# Altium PCB Brake Module B3 Sample.PcbDoc (part 1 of 2) (continued)
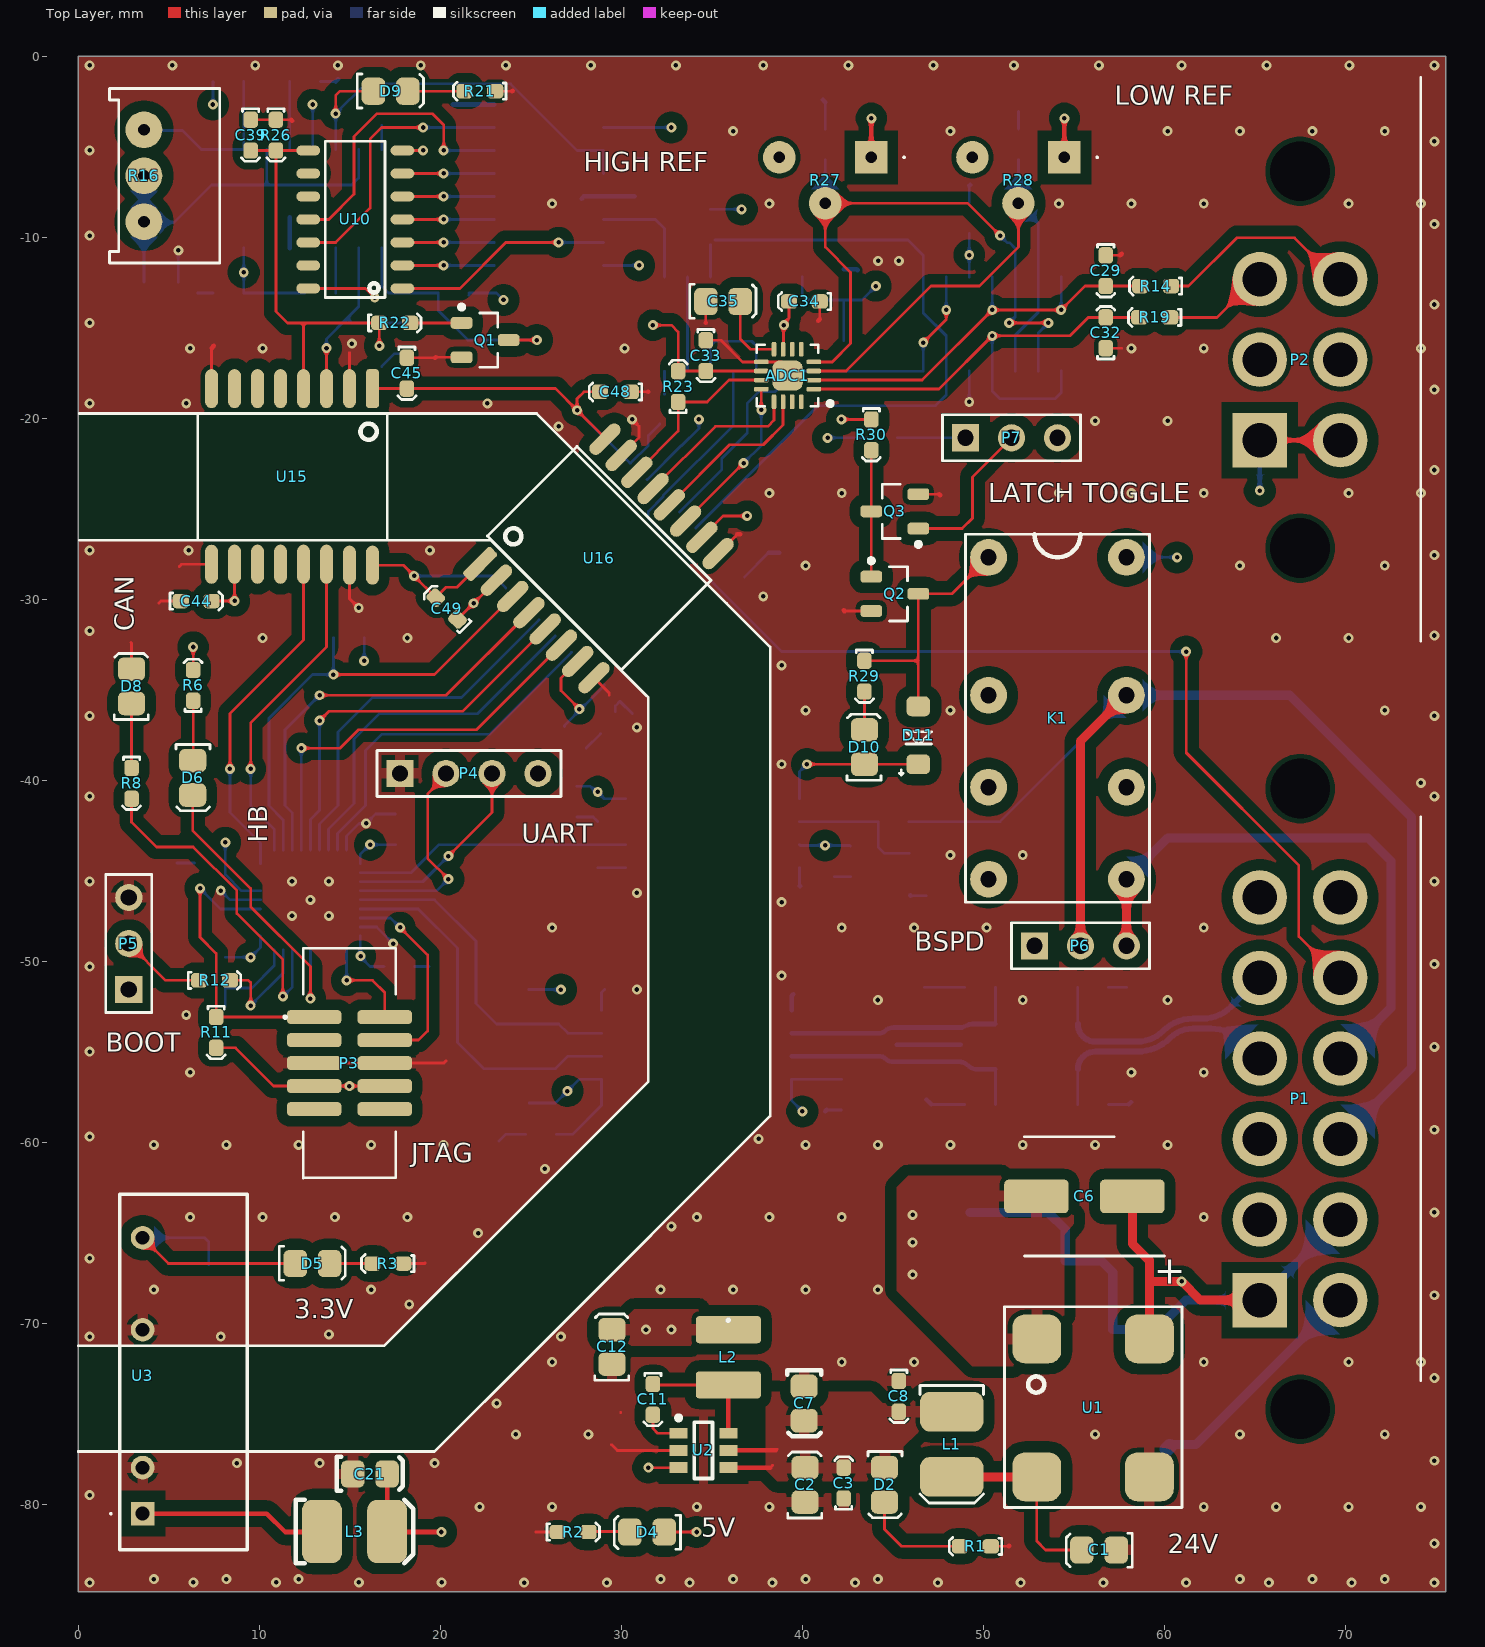
[diagram p0: Top Layer view]
## Design rules (kind name [scope] priority, off if disabled: settings)
Clearance [All] p1: gap=0.254 ignorepadtopadclearanceinfootprint=FALSE except(0: Arc-Hole Track-Hole SMDPad-Hole THPad-Hole Via-Hole Fill-Hole Region-Hole Text-Hole; 0.1: THPad-THPad; 0.152: Arc-SMDPad Track-SMDPad SMDPad-SMDPad; 0.2: Arc-THPad Track-THPad SMDPad-THPad THPad-Via; 0.203: Arc-Arc Arc-Track Arc-Region Track-Track Track-Region SMDPad-Region THPad-Region Via-Region Fill-Region Poly-Region Region-Region; 0.6: Arc-Poly Track-Poly SMDPad-Poly THPad-Poly Via-Poly Fill-Poly Poly-Poly)
DiffPairsRouting [All] p1: maxlimit=0.22 minlimit=0.22 mostfreqgap=0.22 toplayer_minwidth=0.33 toplayer_maxwidth=0.33 toplayer_prefwidth=0.33 midlayer1_minwidth=0.33 midlayer1_maxwidth=0.33 midlayer1_prefwidth=0.33 midlayer2_minwidth=0.33 midlayer2_maxwidth=0.33 midlayer2_prefwidth=0.33 bottomlayer_minwidth=0.33 bottomlayer_maxwidth=0.33 bottomlayer_prefwidth=0.33 maxuncoupledlength=12.7
Height [All] p1: minheight=0 maxheight=50 prefheight=12.7
HoleSize [All] p1: absolutevalues=TRUE maxlimit=10 minlimit=0.025 maxpercent=80.000 minpercent=20.000
MinimumSolderMaskSliver [All] p1 off: minsoldermaskwidth=0.254
NetAntennae [All] p1 off: netantennaetolerance=0
PlaneClearance [All] p1: clearance=0.4
PlaneConnect [All] p1: pad.planeconnectstyle=Relief pad.reliefexpansion=0.508 pad.reliefentries=4 pad.reliefconductorwidth=0.8 pad.reliefairgap=0.254 via.planeconnectstyle=Direct via.reliefexpansion=0.508 via.reliefentries=4 via.reliefconductorwidth=0.8 via.reliefairgap=0.254
PolygonConnect [All] p1: thpad.connectstyle=Relief thpad.reliefconductorwidth=0.6 thpad.reliefentries=4 thpad.polygonreliefangle="90 Angle" thpad.airgapwidth=0.254 smdpad.connectstyle=Relief smdpad.reliefconductorwidth=0.6 smdpad.reliefentries=4 smdpad.polygonreliefangle="90 Angle" smdpad.airgapwidth=0.254 via.connectstyle=Direct via.reliefconductorwidth=0.6 via.reliefentries=4 via.polygonreliefangle="90 Angle" via.airgapwidth=0.254
RoutingVias [All] p1: holewidth=0.25 width=0.55 viastyle="Through Hole" minholewidth=0.203 minwidth=0.254 maxholewidth=0.711 maxwidth=1.27
SilkToSilkClearance [All] p1 off: silktosilkclearance=0.254
SilkToSolderMaskClearance [IsPad] p1 off: minsilkscreentomaskgap=0.254 clearancetoexposedcopper=TRUE
SolderMaskExpansion [All] p1: expansion=0.051 istentingtop=FALSE
Width [All] p1: maxlimit=3 minlimit=0.127 preferedwidth=0.152 minimp=50.000000 maximp=50.000000 favimp=50.000000
21 further rules are at their usual default settings.

## Classes and differential pairs
component class TopLevel: P1 P2
component class "Safety Loop": "BSPD Swap1" C42 C43 D10 D11 D12 K1 P6 P7 Q2 Q3 R29 R30 R31 R32 U13
component class "Power Supply": C1 C2 C3 C4 C5 C6 C7 C8 C11 C12 C21 C26 D1 D2 D3 D4 D5 F1 L1 L2 L3 R1 R2 R3 U1 U2 U3
component class Microcontroller: C22 C23 C24 C25 D6 D8 P3 P4 P5 R6 R8 R9 R10 R11 R12 U7
component class Isolation: C44 C45 C46 C47 C48 C49 R34 R36 R37 U14 U15 U16
component class CAN: C15 C16 C17 C18 C19 C20 U4 U5 U6
component class BSPD: 1 ADC1 "BSPD OK1" C28 C29 C30 C31 C32 C33 C34 C35 C36 C37 C38 C39 C40 C41 D9 "High P.1" "Low P.1" Q1 R14 R15 R16 R17 R18 R19 R20 R21 R22 R23 R24 R25 R26 R27 R28 SR_IN1 U8 U9 U10 U11 U12
differential pair CAN1: +CAN1_P -CAN1_N

## Components (designator, comment, footprint, x,y, rotation, side; value= is the part's Value field where it differs from the comment)
ADC1 "ADS7028IRTER" WFQN-16 39.19,-17.641 r180 top
C1 "10uF" 0805 56.388,-82.55 r180 top
C2 "10uF" 0805 40.132,-78.916 r90 top
C3 "100nF" 0603 42.291,-79.678 r90 top
C4 "100nF" 0603 54.532,-66.548 r180 bottom
C5 "100nF" 0603 49.274,-63.881 r180 bottom
C6 "47uF" "CHEMI-CON ELCO" 55.586,-62.992 r180 top
C7 "2.2uF" 0805 40.132,-74.446 r270 top value=22uF
C8 "100nF" 0603 45.339,-73.186 r270 top
C11 "100nF" 0603 31.75,-73.357 r270 top
C12 "10uF" 0805 29.464,-71.295 r90 top
C15 "100nF" 0603 42.164,-58.215 r90 bottom
C16 "100nF" 0603 24.716,-59.563 r0 bottom
C17 "100pF" 0603 56.923,-51.435 r180 bottom
C18 "100pF" 0603 56.923,-57.912 r180 bottom
C19 "100pF" 0603 48.973,-51.435 r0 bottom
C20 "100pF" 0603 48.973,-57.912 r0 bottom
C21 "10uF" 0805 16.129,-78.307 r0 top
C22 "100nF" 0603 17.526,-41.861 r270 bottom
C23 "100nF" 0603 8.128,-51.484 r90 bottom
C24 "100nF" 0603 6.428,-44.577 r0 bottom
C25 "100nF" 0603 18.591,-50.292 r180 bottom
C26 "10uF" 0805 7.235,-67.639 r90 bottom
C28 "100nF" 0603 7.444,-13.081 r0 bottom
C29 "100nF" 0603 56.769,-11 r270 top
C30 "10uF" 0805 4.57,-12.446 r180 bottom
C31 "10pF" 0603 13.384,-1.397 r180 bottom
C32 "100nF" 0603 56.769,-16.129 r90 top
C33 "100nF" 0603 34.676,-15.691 r270 top
C34 "100nF" 0603 40.972,-13.55 r180 top
C35 "1µF" 0805 35.638,-13.524 r0 top
C36 "100nF" 0603 31.496,-5.637 r90 bottom
C37 "100nF" 0603 49.227,-8.079 r270 bottom
C38 "100nF" 0603 42.291,-11.762 r270 bottom
C39 "100nF" 0603 9.525,-3.507 r270 top
C40 "100nF" 0603 41.275,-4.015 r270 bottom
C41 "100nF" 0603 51.943,-4.015 r270 bottom
C42 "100nF" 0603 42.672,-45.339 r90 bottom
C43 "100nF" 0603 27.559,-42.037 r90 bottom
C44 "100nF" 0603 5.666,-30.099 r0 top
C45 "100nF" 0603 18.161,-16.664 r270 top
C46 "100nF" 0603 28.067,-38.227 r135 bottom
C47 "100nF" 0603 33.333,-21.522 r135 bottom
C48 "100nF" 0603 30.529,-18.542 r180 top
C49 "100nF" 0603 20.955,-31.115 r135 top
D1 "PMEG100T10ELR-QX" SODFL350X110-2N 49.149,-66.548 r0 bottom
D2 "Red" "0805 LED" 44.577,-78.94 r270 top
D3 "SM6T39CAY" SM6T39CAY-Footprint-1 54.991,-70.358 r180 bottom
D4 "Red" "0805 LED" 31.418,-81.56 r180 top
D5 "Red" "0805 LED" 12.954,-66.675 r0 top
D6 "Yellow" "0805 LED" 6.35,-39.878 r270 top
D8 "Yellow" "0805 LED" 2.921,-34.798 r90 top
D9 "Green" "0805 LED" 17.272,-1.905 r0 top
D10 "Green" "0805 LED" 43.408,-38.154 r90 top
D11 "PMEG100T10ELR-QX" "NXP SOD123W" 46.415,-37.516 r90 top
D12 "MMBZ5230BLT1G" NEXPERIA_SOT23 45.896,-45.212 r90 bottom
F1 "0ZCF0100AF2A" 2920 60.132,-76.962 r180 bottom
K1 "V23105A5475A201" "TI 2-DIL" 54.102,-36.576 r270 top
L1 "12uH" 1812 48.26,-76.686 r270 top
L2 "4.7uH" SRN3015TA-4R7M 35.919,-71.882 r270 top
L3 "12uH" 1812 15.267,-81.507 r0 top
P1 "DTF13-12P" DTF13-12P 69.728,-57.608 r90 top
P2 "DT13-6P" DTF13-6P 69.728,-16.764 r90 top
P3 "1.27mm" 3221-10-0300-00 14.986,-55.626 r270 top
P4 "2.54mm" "TH 2.54mm Header 1x4" 17.78,-39.624 r0 top
P5 "2.54mm" "TH 2.54mm Header 1x3" 2.794,-51.562 r90 top
P6 "2.54mm" "TH 2.54mm Header 1x3" 52.832,-49.149 r0 top
P7 "2.54mm" "TH 2.54mm Header 1x3" 49.022,-21.082 r0 top
Q1 "SQ2361ES-T1_GE3" "VSHY SOT-23-3" 22.479,-15.682 r0 top
Q2 "SQ2308CES-T1_GE3" "VSHY SOT-23-3" 45.115,-29.699 r0 top
Q3 "SQ2308CES-T1_GE3" "VSHY SOT-23-3" 45.115,-25.146 r180 top
R1 "20K" 0603 50.419,-82.322 r180 top
R2 "2K" 0603 26.494,-81.534 r0 top
R3 "1k" 0603 17.956,-66.701 r180 top
R6 "500R" 0603 6.35,-35.609 r90 top
R8 "500R" 0603 2.947,-39.321 r270 top
R9 "5.1k" 0805 24.918,-52.505 r90 bottom
R10 "5.1k" 0805 24.892,-56.896 r270 bottom
R11 "10k" 0603 7.62,-53.086 r270 top
R12 "10k" 0603 6.682,-51.054 r0 top
R14 "1k" 0603 60.374,-12.7 r180 top
R15 "10k" 0603 9.144,-1.397 r180 bottom
R16 "10K (Var)" "B 3296" 4.191,-6.69 r270 top
R17 "1.2k" 0603 14.224,-13.081 r180 bottom
R18 "1.2k" 0603 19.89,-13.081 r0 bottom
R19 "1k" 0603 60.325,-14.429 r180 top
R20 "10k" 0603 18.112,-16.432 r90 bottom
R21 "1.2k" 0603 23.036,-1.931 r180 top
R22 "680R" 0603 16.637,-14.732 r0 top
R23 "1.2k" 0603 33.147,-19.099 r90 top
R24 "1.2k" 0603 42.291,-17.399 r90 bottom
R25 "1.2k" 0603 34.925,-10.16 r90 bottom
R26 "10k" 0603 10.922,-3.507 r270 top
R27 "10K (Var)" 3339P-1-1103LF 41.275,-8.128 r180 top
R28 "10K (Var)" 3339P-1-1103LF 51.943,-8.128 r180 top
R29 "680R" 0603 43.434,-33.401 r270 top
R30 "680R" 0603 43.815,-20.066 r270 top
R31 "680R" 0603 43.561,-21.082 r0 bottom
R32 "10k" 0603 44.196,-42.291 r0 bottom
R34 "1.2k" 0603 14.097,-32.131 r0 bottom
U1 "744272121" "Wurth 4-PC Pad" 59.179,-78.486 r90 top value="120uH @ 100kHz"
U2 "LMR50410Y5FQDBVRQ1" TI-SOT23-6 34.544,-77.028 r0 top
U3 "RK-053.3S/H6" RK-053.3S/H6 3.556,-80.518 r90 top
U4 "ISO1042" TI-SOIC-8 34.163,-54.61 r0 bottom
U5 "B82787C0104H002" "TDK 4-PC Pad" 55.223,-53.467 r180 bottom value="100µH @ 100kHz"
U6 "NUP2105L" "ON SOT-23" 46.228,-54.61 r270 bottom
U7 "STM32F103T8U6" STM_QFN-36 12.827,-46.609 r0 bottom
U8 "NE556DR" TI-SOIC14 12.954,-7.874 r270 bottom
U9 "MC74HC595ADR2G" "ON 16-SOIC" 25.877,-11.557 r0 bottom
U10 "CD74HC30M96" "TI 14-SOIC" 20.507,6.223 r90 top
U11 "SN74HC00DR" "TI 14-SOIC" 20.955,-19.999 r180 bottom
U12 "LMV339IDR" "TI 14-SOIC" 65.737,-9.592 r0 bottom
U13 "ADuM210N" AD-SOIC-8W 35.052,-42.926 r180 bottom
U14 "ADuM1400" "AD 16-SOIC" 31.115,-29.972 r315 bottom
U15 "ADuM1400" "AD 16-SOIC" 10.541,-23.241 r180 top
U16 "ADum1401" "AD 16-SOIC" 29.694,-28.644 r315 top

## Footprints (in the part's own frame and the unit in brackets; to place one, negate y for a bottom-side part, rotate by r counter-clockwise, add the part's x,y. Pads: shape width x height; smd on the part's side, far side on the other; paste and mask are expansions set on the pad)
0603 [mm]
  rrect50% 0.9x0.8 smd: 1(0,0) 2(1.7,0)
  silkscreen extent -0.6,-0.5 2.3,0.5, body extent 0.05,-0.42 1.65,0.43, height 0.6
0805 [mm]
  rrect50% 1.3x1.5 smd: 1(-0.962,-0.026) 2(0.938,-0.026)
  silkscreen extent -1.85,-0.95 1.8,0.93, body extent -1,-0.65 1,0.66, height 0.73
"0805 LED" [mm]
  rrect50% 1.3x1.5 smd: A(-0.962,-0.026) K(0.938,-0.026)
  silkscreen extent -1.85,-0.95 1.8,0.93, body extent -1.09,-0.63 0.91,0.62, height 1
1812 [mm]
  rrect50% 2.2x3.5 smd: 1(-1.8,0) 2(1.8,0)
  silkscreen extent -3.25,-1.75 3.25,1.75, body extent -2.25,-1.6 2.25,1.6, height 2.5
2920 [mm]
  rrect50% 2.3x5.6 smd: 1(0,0) 2(7.3,0)
  silkscreen extent -1.4,-3 9,3, body extent -0.34,-2.81 7.64,2.81, height 1.14
3221-10-0300-00 [mm]
  rrect50% 0.76x3 smd: 1(-2.54,-1.95) 2(-2.54,1.95) 3(-1.27,-1.95) 4(-1.27,1.95) 5(0,-1.95) 6(0,1.95) 7(1.27,-1.95) 8(1.27,1.95) 9(2.54,-1.95) 10(2.54,1.95)
  silkscreen extent -6.35,-3.6 6.35,2.55, body extent -6.34,-2.8 6.36,2.8, height 5.25
3339P-1-1103LF [mm]
  rect 1.8x1.8 / inner rect 1.8x1.8 / far side rect 2.2x2.2 hole 0.63: 1(-2.54,-2.54)
  round 1.8 / inner round 1.8 / far side round 2.2 hole 0.63: 2(0,0) 3(2.54,-2.54)
  silkscreen extent -4.4,-2.59 -4.3,-2.49, body extent -3.81,-6.35 3.81,1.27, height 6.7
"AD 16-SOIC" [mil]
  rrect50% 28x85 smd: 1(-225,-192.02)
  oval 28x85 smd: 2(-175,-192.02) 3(-125,-192.02) 4(-75,-192.02) 5(-25,-192.02) 6(25,-192.02) 7(75,-192.02) 8(125,-192.02) 9(125,190) 10(75,189.96) 11(25,189.96) 12(-25,189.96) 13(-75,189.96) 14(-125,189.96) 15(-175,191.98) 16(-225,191.98)
  silkscreen extent -257,-138 155,138, body extent -256,-209 156,209, height 104
AD-SOIC-8W [mm]
  rrect50% 1.7x0.6 smd: 1(-4.8,1.905) 2(-4.8,0.635) 3(-4.8,-0.635) 4(-4.8,-1.905) 5(4.8,-1.905) 6(4.8,-0.635) 7(4.8,0.635) 8(4.8,1.905)
  silkscreen extent -4.93,-3.05 3.55,3.05, body extent -5.16,-3.05 5.16,3.05, height 2.65
"B 3296" [mil]
  round 80 / inner round 80 / far side round 86.61 hole 25.2: 1(-103.39,-22) 2(-3.39,-22) 3(96.61,-22)
  silkscreen extent -193,-97 187,143, body extent -191,-97 184,143, height 455
"CHEMI-CON ELCO" [mm]
  rrect25% 3.55x1.85 smd: 1(-2.65,0) 2(2.65,0)
  silkscreen extent -4.43,-3.3 3.3,3.3, body extent -3.7,-3.4 3.7,3.4, height 6.1
DTF13-6P [mm]
  round 3 hole 3.3 unplated: 0(-10.41,2.225) 0(10.41,2.225)
  rect 3x3 / inner rect 3x3 / far side rect 3.8x3.8 hole 1.9: 1(-4.45,4.45)
  round 3 / inner round 3 / far side round 3.8 hole 1.9: 2(0,4.45) 3(4.45,4.45) 4(4.45,0) 5(0,0) 6(-4.45,0)
  silkscreen extent -15.56,-4.45 15.59,-4.45, body extent -14.1,-23 13.61,6.6, height 22.67
DTF13-12P [mm]
  round 3 hole 3.3 unplated: 0(-17.145,2.22) 0(17.145,2.22)
  rect 3x3 / inner rect 3x3 / far side rect 3.8x3.8 hole 1.9: 1(-11.114,4.45)
  round 3 / inner round 3 / far side round 3.8 hole 1.9: 2(-6.664,4.45) 3(-2.214,4.45) 4(2.236,4.45) 5(6.686,4.45) 6(11.136,4.45) 7(11.136,0) 8(6.686,0) 9(2.236,0) 10(-2.214,0) 11(-6.664,0) 12(-11.114,0)
  silkscreen extent -15.56,-4.45 15.59,-4.45, body extent -20.79,-27.74 20.79,6.55, height 23.13
NEXPERIA_SOT23 [mm]
  rrect50% 0.95x0.6 smd: 2(-1.175,-0.95) A(-1.175,0.95) K(1.175,0)
  silkscreen extent -1.3,-1.5 0.7,1.93, body extent -1.33,-1.5 1.33,1.5, height 1.1
"NXP SOD123W" [mm]
  rrect50% 1.1x1.3 smd: A(1.6,0) K(-1.6,0)
  silkscreen extent -2.2,-0.73 0.2,1.04, body extent -1.75,-0.95 1.75,0.95, height 1.1
"ON 16-SOIC" [mm]
  rrect50% 1.6x0.58 smd: 1(-2.89,0) 2(-2.89,-1.27) 3(-2.89,-2.54) 4(-2.89,-3.81) 5(-2.89,-5.08) 6(-2.89,-6.35) 7(-2.89,-7.62) 8(-2.89,-8.89) 9(3.14,-8.89) 10(3.14,-7.62) 11(3.14,-6.35) 12(3.14,-5.08) 13(3.14,-3.81) 14(3.14,-2.54) 15(3.14,-1.27) 16(3.14,0)
  silkscreen extent -1.75,-9.5 2,0.75, body extent -3.09,-9.4 3.14,0.6, height 1.75
"ON SOT-23" [mm] "NUP2105L"
  rrect50% 0.8x0.9 smd: 1(-0.95,-1) 2(0.95,-1) 3(0,1)
  silkscreen extent -1.75,-0.65 1.75,0.75, body extent -1.5,-1.28 1.5,1.27, height 1
RK-053.3S/H6 [mm]
  rect 1.303x1.303 / inner rect 1.303x1.303 / far side rect 1.8x1.8 hole 0.76: 1(0,0)
  round 1.303 / inner round 1.303 / far side round 1.8 hole 0.76: 2(2.54,0) 5(10.16,0) 7(15.24,0)
  silkscreen extent -2,-5.78 17.65,1.8, body extent -1.99,-5.78 17.65,1.26, height 10.2
SM6T39CAY-Footprint-1 [mm]
  rrect50% 2.28x2.12 smd: A(2.165,0) K(-2.165,0)
  silkscreen extent -2.16,-1.81 2.16,1.81, body extent -2.79,-1.98 2.79,1.98, height 2.64
SODFL350X110-2N [mm] "SODFL, 2-Leads, Body 1.70x3.50mm, IPC Medium Density"
  rrect50% 0.95x1.1 smd: A(1.575,0) K(-1.575,0)
  silkscreen extent -2.29,-1.19 2.28,1.18, body extent -1.75,-0.95 1.75,0.95, height 1.1
SRN3015TA-4R7M [mm]
  rrect25% 1.5x3.6 smd: 1(-1.525,0) 2(1.525,0)
  silkscreen extent -2.1,-0.05 -2,0.05, body extent -1.46,-1.47 1.61,1.47, height 1.4
STM_QFN-36 [mm]
  rrect50% 1.1x0.25 smd: 1(-2.75,2) 2(-2.75,1.5) 3(-2.75,1) 4(-2.75,0.5) 5(-2.75,0) 6(-2.75,-0.5) 7(-2.75,-1) 8(-2.75,-1.5) 9(-2.75,-2) 19(2.75,-2) 20(2.75,-1.5) 21(2.75,-1) 22(2.75,-0.5) 23(2.75,0) 24(2.75,0.5) 25(2.75,1) 26(2.75,1.5) 27(2.75,2)
  rrect50% 0.25x1.1 smd: 10(-2,-2.75) 11(-1.5,-2.75) 12(-1,-2.75) 13(-0.5,-2.75) 14(0,-2.75) 15(0.5,-2.75) 16(1,-2.75) 17(1.5,-2.75) 18(2,-2.75) 28(2,2.75) 29(1.5,2.75) 30(1,2.75) 31(0.5,2.75) 32(0,2.75) 33(-0.5,2.75) 34(-1,2.75) 35(-1.5,2.75) 36(-2,2.75)
  rrect25% 3x3 smd: 37(0,0)
  silkscreen extent -3.98,-3.21 3.21,3.21, body extent -3.08,-3.08 3.08,3.08, height 1
"TDK 4-PC Pad" [mm]
  rrect50% 1.35x0.9 smd: 1(0,-2.5) 2(0,0) 3(4.55,0) 4(4.55,-2.5)
  silkscreen extent -1,-3.2 5.5,0.7, body extent -0.02,-2.82 4.48,0.38, height 2.8
"TH 2.54mm Header 1x3" [mm]
  rect 1.5x1.5 / inner rect 1.5x1.5 / far side rect 2.2x2.2 hole 0.9: 1(0,0)
  round 1.5 / inner round 1.5 / far side round 2.2 hole 0.9: 2(2.54,0) 3(5.08,0)
  silkscreen extent -1.27,-1.27 6.35,1.27, body extent -1.27,-1.27 6.35,1.27, height 9.5
"TH 2.54mm Header 1x4" [mm]
  rect 1.5x1.5 / inner rect 1.5x1.5 / far side rect 2.2x2.2 hole 0.9: 1(0,0)
  round 1.5 / inner round 1.5 / far side round 2.2 hole 0.9: 2(2.54,0) 3(5.08,0) 4(7.62,0)
  silkscreen extent -1.27,-1.27 8.89,1.27, body extent -1.27,-1.27 8.89,1.27, height 9.5
"TI 2-DIL" [mil]
  round 80 / inner round 80 / far side round 98.43 hole 35.43: 1(-350,-150) 4(-50,-150) 6(150,-150) 8(350,-150) 9(350,150) 11(150,150) 13(-50,150) 16(-350,150)
  silkscreen extent -400,-200 400,200, body extent -398,-197 398,197, height 450
"TI 14-SOIC" [mil]
  oval 22x52 smd: 1(-750,102.36) 2(-700,102.36) 3(-650,102.36) 4(-600,102.36) 5(-550,102.36) 6(-500,102.36) 7(-450,102.36) 8(-450,307.09) 9(-500,307.09) 10(-550,307.09) 11(-600,307.09) 12(-650,307.09) 13(-700,307.09) 14(-750,307.09)
  silkscreen extent -770,140 -430,270, body extent -770,86 -430,323, height 69
TI-SOIC14 [mm]
  rrect50% 1.45x0.6 smd: 1(-2.725,3.81) 2(-2.725,2.54) 3(-2.725,1.27) 4(-2.725,0) 5(-2.725,-1.27) 6(-2.725,-2.54) 7(-2.725,-3.81) 8(2.725,-3.81) 9(2.725,-2.54) 10(2.725,-1.27) 11(2.725,0) 12(2.725,1.27) 13(2.725,2.54) 14(2.725,3.81)
  silkscreen extent -2.85,-4.4 1.6,4.78, body extent -3,-4.4 3,4.4, height 1.75
TI-SOIC-8 [mm]
  rrect50% 1.95x0.6 smd: 1(-5.25,1.905) 2(-5.25,0.635) 3(-5.25,-0.635) 4(-5.25,-1.905) 5(5.25,-1.905) 6(5.25,-0.635) 7(5.25,0.635) 8(5.25,1.905)
  silkscreen extent -5.37,-3 3.88,3, body extent -5.75,-3 5.75,3, height 2.8
TI-SOT23-6 [mm]
  rect 1x0.6 smd: 1(-1.375,0.95) 2(-1.375,0) 3(-1.375,-0.95) 4(1.375,-0.95) 5(1.375,0) 6(1.375,0.95)
  silkscreen extent -1.5,-1.55 0.5,1.92, body extent -1.5,-1.53 1.5,1.53, height 1.45
"VSHY SOT-23-3" [mm] "SOT23, 3-Leads, Body 2.92x2.37mm, Pitch 0.95mm, IPC Low Density"
  rrect50% 1.2x0.65 smd: D(1.3,0) G(-1.3,0.95) S(-1.3,-0.95)
  silkscreen extent -1.42,-1.5 0.7,1.95, body extent -1.32,-1.52 1.32,1.52, height 1.12
WFQN-16 [mm]
  rrect50% 0.8x0.25 smd: 1(-1.45,0.75) 2(-1.45,0.25) 3(-1.45,-0.25) 4(-1.45,-0.75) 9(1.45,-0.75) 10(1.45,-0.25) 11(1.45,0.25) 12(1.45,0.75)
  rrect50% 0.25x0.8 smd: 5(-0.75,-1.45) 6(-0.25,-1.45) 7(0.25,-1.45) 8(0.75,-1.45) 13(0.75,1.45) 14(0.25,1.45) 15(-0.25,1.45) 16(-0.75,1.45)
  rrect50% 1.68x1.68 smd: 17(0,0)
  silkscreen extent -2.48,-1.7 1.7,1.7, body extent -1.6,-1.6 1.6,1.6, height 0.8
"Wurth 4-PC Pad" [mm]
  rrect50% 2.7x2.7 smd: 1(7.62,6.22) 2(0,6.22) 3(0,0) 4(7.62,0)
  silkscreen extent -1.7,-1.8 9.4,8, body extent -1.19,-1.24 8.81,7.46, height 6.2

## Part data
ADC1: "IC ADC 12BIT SAR 16WQFN", Manufacturer="Texas Instruments", Digikey Link=https://www.digikey.com.au/en/products/detail/texas-instruments/ADS7028IRTER/12696020?s=N4IgTCBcDaIIIBEDKB2ADGAHASQEoBUBRXEAXQF8g, Digikey Part Number=ADS7028IRTER, Part Number=ADS7028IRTER
C1 C2 C12 C21 C26 C30: library part GRM21BR6YA106KE43L, Digikey Part Number=490-10514-6-ND, Manufacturer=muRata, Rated Voltage=50V, Temperature Rating=X5R, Tolerance=10%, Material=MLCC, Part Number=GRM21BR6YA106KE43L
C3 C4 C5 C8 C11 C15 C16 C22 C23 C24 C25 C28 C29 C32 C33 C34 C36 C37 C38 C39 C40 C41 C42 C43 C44 C45 C46 C47 C48 C49: library part GCM188L81H104KA57D, Digikey Part Number=490-6049-1-ND, Manufacturer=muRata, Rated Voltage=50V, Temperature Rating=X8L, Tolerance=±10%, Material=MLCC, Part Number=GCM188L81H104KA57D
C6: library part HHXA350ARA470MF61G, Part Number=HHXA350ARA470MF61G
C7: library part GRM21BR61A226ME51L, Digikey Part Number=490-10511-1-ND, Manufacturer=muRata, Rated Voltage=50V, Temperature Rating=X5R, Tolerance=20%, Material=MLCC, Part Number=GRM21BR61A226ME51L
C17 C18 C19 C20: library part GRM1885C1H101JA01D, Digikey Part Number=490-1427-1-ND, Manufacturer="Murata Electronics", Rated Voltage=50V, Temperature Rating="C0G, NP0", Tolerance=±5%, Material=MLCC, Part Number=GRM1885C1H101JA01D
C31: library part GRM1885C1H100JA01D, Digikey Part Number=490-1403-1-ND, Manufacturer="Murata Electronics", Rated Voltage=50V, Temperature Rating="C0G, NP0", Tolerance=±5%, Material=MLCC, Part Number=GRM1885C1H100JA01D
C35: library part GCM21BR71H105KA03L, Digikey Part Number=490-10675-1-ND, Manufacturer=muRata, Rated Voltage=50V, Temperature Rating=X7R, Tolerance=±10%, Material=MLCC, Part Number=GCM21BR71H105KA03L
D1: library part CMP-004-00005-4, "Diode 100 V 1A Surface Mount SOD-123W"
D2 D4 D5: library part SML-210LTT86, "Red LED Indication - Discrete 1.75V 0805 (2012 Metric)", Digikey Part Number=511-1286-1-ND, Manufacturer="ROHM Semiconductor", Colour=Red, Part Number=SML-210LTT86
D3: library part CMP-004-00003-4, "TVS Diode Single Bi-Dir 33.3V 600W Automotive 2-Pin SMB T/R / TVS DIODE 33.3VWM 69.7VC SMB", Breakdown Voltage=39V, Case/Package=DO-214AA, Clamping Voltage=53.9V, Leakage Current=200nA, Max Breakdown Voltage=41V, Max Operating Temperature=150°C, Max Power Dissipation=600W, Max Surge Current=11.1A, Min Breakdown Voltage=37.1V, Min Operating Temperature=-55°C, Operating Supply Voltage=30V, Package Quantity=1, Peak Pulse Current=57A, Power Line Protection=No, Resistor Type=Zener, Reverse Standoff Voltage=33.3V, Test Current=1mA, Diode Type=ZENER, Direction=Bidirectional, Element Configuration=Single, Height=2.45mm, Length=4.6mm, Max Reverse Leakage Current=200nA, Mount="Surface Mount", Number of Bidirectional Channels=1, Number of Channels=1, Number of Elements=1, Number of Pins=2, Packaging="Tape and Reel", Peak Pulse Power=600W, Polarity=Bidirectional, Radiation Hardening=No, REACH SVHC="No SVHC", Reverse Breakdown Voltage=37.1V, RoHS Compliant=Yes, Series="Automotive, AEC-Q101, SM6TY, TRANSIL™", Termination=SMD/SMT, Width=3.95mm
D6 D8: library part SML-211YTT86, "Yellow LED Indication - Discrete 1.75V 0805 (2012 Metric)", Digikey Part Number=511-1293-1-ND, Manufacturer="ROHM Semiconductor", Colour=Yellow, Part Number=SML-211YTT86
D9 D10: library part SML-210FTT86, "Green LED Indication - Discrete 1.75V 0805 (2012 Metric)", Digikey Part Number=511-1285-1-ND, Manufacturer="ROHM Semiconductor", Colour=Green, Part Number=SML-210FTT86
D11: Breakdown Voltage="100 V", Digikey Part Number=1727-PMEG100T10ELR-QXCT-ND, Forward Voltage="0.75 V @ 1A", Manufacturer="Nexperia USA Inc.", Rated Power="680 mW", Part Number=PMEG100T10ELR-QX
D12: Breakdown Voltage=4.7V, Digikey Part Number=MMBZ5230BLT1GOSTR-ND, Manufacturer=onsemi, Rated Power=225mW, Part Number=MMBZ5230BLT1G
F1: "PTC RESET FUSE 60V 1A 292", Digikey Part Number=507-2070-1-ND, Manufacturer="Littelfuse Inc.", Digikey Link=https://www.digikey.com/product-detail/en/bel-fuse-inc/0ZCF0100AF2A/507-2070-1-ND/6210547, Part Number=0ZCF0100AF2A
K1: "5V DPDT Relay 3A 220VDC", Digikey Part Number=PB383-ND, Manufacturer=Axicom, Digikey Link=https://www.digikey.com/products/en?mpart=V23105A5001A201&v=41, Part Number=V23105A5475A201
L1 L3: library part RLS-126, Digikey Part Number=945-3429-ND, Manufacturer=Recom, Rated Current="0.8 A", Tolerance=0.2, Impedance=230mOhm, Material=Wirewound, Part Number=RLS-126
L2: library part SRN4018-4R7M, Digikey Part Number=SRN3015TA-4R7MCT-ND, Manufacturer=Bourns, Rated Current=1.9A, Tolerance=0.2, Impedance=84mOhms, Material=Wirewound, Part Number=SRN4018-4R7M
P1: Digikey Part Number=1734-1861-ND, Angle=90, Contact="Copper Alloy", Digikey Link=https://www.digikey.com/products/en?keywords=dtf13-12pa, Flange=No, Part Number=DTF13-12P, Pitch=4.45mm, Positions=12, Row Spacing=4.45mm
P2: library part DTF13-6P, Digikey Part Number=1734-1754-ND, Angle=90, Contact="Copper Alloy", Digikey Link=https://www.digikey.com/products/en?keywords=DTF13-6P, Flange=No, Part Number=DTF13-6P, Pitch=4.45mm, Positions=6, Row Spacing=4.45mm
P3: library part "SMD 1.27mm Header 2x5 (3221-10-0300-00)", Angle=0, Contact=NA, Flange=No, Part Number="SMD 1.27mm Header 2x5 (3221-10-0300-00)", Pitch=1.27mm, Positions=10, Row Spacing=1.27mm
P4: library part "TH 2.54mm Header 1x4", Angle=0, Contact=NA, Flange=No, Part Number="TH 2.54mm Header 1x4", Pitch=2.54mm, Positions=4, Row Spacing=2.54mm
P5 P6 P7: library part "TH 2.54mm Header 1x3", Angle=0, Contact=NA, Flange=No, Part Number="TH 2.54mm Header 1x3", Pitch=2.54mm, Positions=3, Row Spacing=2.54mm
Q1: "MOSFET P-CH 60V 2.8A SSOT23", Digikey Part Number=SQ2361ES-T1_GE3CT-ND, Manufacturer="Vishay Siliconix", Rated Power="2 W", LatestRevisionDate=29-May-2009, LatestRevisionNote="IPC-7351 Footprint Added.", PackageDescription="4-Pin SOT-343 Package 1.3 mm Pitch, 2.1 mm Lead Span", PackageReference=SOT-343, PackageVersion=Sep-2000, Part Number=SQ2361ES-T1_GE3, Published=24-Mar-1999, Publisher="Altium Limited", Type=P-channel
Q2 Q3: "MOSFET N-CH 60V 2.3A SOT23", Digikey Part Number=SQ2308CES-T1_GE3CT-ND, Manufacturer="Vishay Siliconix", Rated Power=2W, LatestRevisionDate=29-May-2009, LatestRevisionNote="IPC-7351 Footprint Added.", PackageDescription="4-Pin SOT-343 Package 1.3 mm Pitch, 2.1 mm Lead Span", PackageReference=SOT-343, PackageVersion=Sep-2000, Part Number=SQ2308CES-T1_GE3, Published=24-Mar-1999, Publisher="Altium Limited", Type=N-channel
R1: library part RC0603FR-0720KL, Digikey Part Number=311-20.0KHRCT-ND, Manufacturer=YAGEO, Rated Power=0.1W, Tolerance=0.01, Material=FR-07, Part Number=RC0603FR-0720KL
R2: library part RC0603FR-072KL, Digikey Part Number=311-2.00KHRCT-ND, Manufacturer=YAGEO, Rated Power=0.1W, Tolerance=0.01, Material=FR-07, Part Number=RC0603FR-072KL
R3 R14 R19: library part RC0603FR-071KL, Digikey Part Number=311-1.00KHRCT-ND, Manufacturer=YAGEO, Rated Power=0.1W, Tolerance=0.01, Material=FR-07, Part Number=RC0603FR-071KL
R6 R8: library part RT0603BRD07500RL, Digikey Part Number=13-RT0603BRD07500RL-ND, Manufacturer=YAGEO, Rated Power=0.1W, Tolerance=0.01, Material=FR-07, Part Number=RT0603BRD07500RL
R9 R10: library part RC0805FR075K1L, Digikey Part Number=311-5.10KCRCT-ND, Manufacturer=YAGEO, Rated Power=0.125W, Tolerance=0.01, Material=FR-07, Part Number=RC0805FR075K1L
R11 R12 R15 R20 R26 R32: library part RC0603FR-0710KL, Digikey Part Number=311-10.0KHRCT-ND, Manufacturer=YAGEO, Rated Power=0.1W, Tolerance=0.01, Material=FR-07, Part Number=RC0603FR-0710KL
R16: library part 3296W-1-103LF, Digikey Part Number=3296W-103LF-ND, Manufacturer="Bournes Inc", Rated Power=0.5W, Tolerance=0.1, Part Number=3296W-1-103LF
R17 R18 R21 R23 R24 R25 R34: library part RC0603JR-071K2L, Digikey Part Number=311-1.2KGRCT-ND, Manufacturer=YAGEO, Rated Power=0.1W, Tolerance=0.01, Material=FR-07, Part Number=RC0603JR-071K2L
R22 R29 R30 R31: library part RC0603JR-13680RL, Digikey Part Number=13-RC0603JR-13680RLCT-ND, Manufacturer=YAGEO, Rated Power=0.1W, Tolerance=0.01, Material=FR-07, Part Number=RC0603JR-13680RL
R27 R28: library part 3339P-1-1103LF, Manufacturer="Bournes Inc", Rated Power=0.5W, Tolerance=0.1, Part Number=3339P-1-1103LF
U1: Digikey Part Number=732-1489-1-ND, Manufacturer="Wurth Electronics Inc", Rated Current="2.5 A", Impedance="460 Ohms @ 30MHz", Material=Wirewound, Part Number=744272121
U2: library part LMR50410-Q1, "IC REG BUCK 5V 1A SOT23-6", Digikey Part Number=296-LMR50410Y5FQDBVRQ1CT-ND, Input Voltage=4-36V, Manufacturer="Texas Instruments", Output Current=1A, Output Voltage=5V, Part Number=LMR50410-Q1
U3: "DC DC CONVERTER 3.3V 1W", Input Voltage=5V, Manufacturer=Recom, Output Current=303mA, Output Voltage=3.3V, Part Number=RK-053.3S/H6
U4: "IC CAN TRANSCEIVER 1/1 8SOIC", Digikey Part Number=296-ISO1042BQDWVQ1-ND, Manufacturer="Texas Instruments", Part Number=ISO1042
U5: Digikey Part Number=495-4598-1-ND, Manufacturer="EPCOS (TDK)", Rated Current=150mA, Impedance="5.8 kOhms @ 10MHz", Material=Wirewound, Part Number=B82787C0104H002
U6: "Dual Line CAN Bus Protector", Digikey Part Number=NUP2105LT1GOSCT-ND, Manufacturer="ON Semiconductor", Digikey Link=https://www.digikey.com/product-detail/en/on-semiconductor/NUP2105LT1G/NUP2105LT1GOSCT-ND/1485001, Part Number=NUP2105L
U7: "ARM® Cortex®-M3 STM32F1 Microcontroller IC 32-Bit 72MHz 64KB (64K x 8) FLASH QFN", Manufacturer="ST Microelectronics", Digikey Link=https://www.digikey.com/en/products/detail/stmicroelectronics/stm32f103t8u6/1852493, Digikey Part Number=STM32F103T8U6, Part Number=STM32F103T8U6
U8: "IC OSC TIMER DUAL 100KHZ 14SOIC", Digikey Part Number=296-26240-1-ND, Manufacturer="Texas Instruments", Digikey Link=https://www.digikey.com.au/en/products/detail/texas-instruments/ne556dr/1571975, Part Number=NE556DR
U9: library part CMP-022-000000-1, "IC SHIFT REGISTR 8BIT 3ST 16SOIC", Part Number=MC74HC595ADR2G
U10: library part CMP-022-000012-1, "IC GATE NAND 1CH 8-INP 14SOIC", Part Number=CD74HC30M96
U11: library part CMP-022-000002-1, "NAND Gate IC 4 Channel 14-SOIC", Part Number=SN74HC00DR
U12: library part CMP-022-000001-1, "Comparator General Purpose Open Collector 14-SOIC", Part Number=LMV339IDR
U13: "DGTL ISO 5000VRMS 1CH GP 8SOIC", Digikey Part Number=ADUM210N1BRIZ-ND, Manufacturer="Analogue Devices", Digikey Link=https://www.analog.com/media/en/technical-documentation/data-sheets/ADuM210N.pdf, Part Number=ADuM210N
U14 U15: "General Purpose Digital Isolator 2500Vrms 4 Channel 1Mbps 25kV/µs CMTI 16-SOIC (0.295\", 7.50mm Width)", Digikey Part Number=ADUM1400WSRWZ-ND, Manufacturer="Analog Devices", Digikey Link=https://www.digikey.com/product-detail/en/analog-devices-inc/ADUM1400WSRWZ/ADUM1400WSRWZ-ND/1873713, Part Number=ADuM1400
U16: library part ADuM1401, "General Purpose Digital Isolator 2500Vrms 4 Channel 1Mbps 25kV/µs CMTI 16-SOIC (0.295\", 7.50mm Width)", Manufacturer="Analog Devices", Part Number=ADuM1401

## Via types
v1: diameter 0.55, hole 0.25, Top Layer to Bottom Layer, 299 vias

## Nets (pads, with @x,y where several pads share a name; then routed paths per layer and width w, separated by ;. In a path a pad name is that pad's centre, name@x,y a point inside that pad or via, vN(x,y) a via of type N, cw(c..) or ccw(c..) an arc to the next point about the centre after c; other vN are vias at no path point)
0V: ADC1.9 ADC1.17 C1.1 C2.1 C3.1 C7.1 C8.1 C12.1 C15.1 C17.1 C18.1 C19.1 C20.1 C21.1 C28.1 C29.1 C30.1 C31.1 C32.1 C33.1 C34.1 C35.1 C36.1 C37.1 C38.1 C39.1 C40.1 C41.1 C42.1 C45.1 C47.1 C48.1 D12.A P2.2 P2.5 Q1.S Q2.S Q3.S R1.1 R2.1 R20.1 R21.1 R26.1 R27.3 R28.3 U1.3 U2.2 U3.2 U4.5 U6.3 U8.7 U8.12 U9.8 U9.13 U10.7 U11.7 U12.12 U13.4 U14.2 U14.8 U15.2 U15.8 U16.9 U16.15 | length 78.7
  Top Layer w0.152: U15.8@7.366,-18.364 7.366,-16.129 ; C39.1@9.525,-3.507 R26.1@10.922,-3.507 11.762,-3.507 ; U15.2@14.986,-18.364 14.986,-16.383 ; U10.7@17.907,-5.207 v1(19.05,-5.207) ; C45.1@18.161,-16.664 19.712,-16.664 ; 19.743,-16.632 Q1.S@21.179,-16.632 ; R21.1@23.036,-1.931 23.977,-1.931 ; 25.273,-81.534 R2.1@26.494,-81.534 ; 29.464,-76.708 29.784,-77.028 U2.2@33.169,-77.028 ; 29.972,-74.93 29.976,-74.926 ; U16.15@29.999,-22.053 30.988,-21.064 30.988,-20.447 v1(30.607,-20.066) ; C48.1@30.529,-18.542 31.496,-18.542 ; C33.1@34.676,-15.691 35.503,-15.691 36.703,-16.891 ADC1.9@37.74,-16.891 38.862,-16.891 ADC1.17@39.116,-17.145 ; 34.676,-14.727 C35.1@34.676,-13.55 ; U16.9@35.352,-27.476 36.412,-26.416 ; 40.972,-14.527 C34.1@40.972,-13.55 ; 42.333,-30.649 Q2.S@43.815,-30.649 ; Q3.S@46.415,-24.196 47.564,-24.196 ; R1.1@50.419,-82.322 51.409,-82.322 ; C32.1@56.769,-16.129 57.658,-16.129 ; C29.1@56.769,-11 57.58,-11
  Top Layer w0.254: 7.366,-16.129 7.493,-16.002 ; 11.762,-3.507 11.811,-3.556 ; 19.712,-16.664 19.743,-16.632 ; 23.977,-1.931 24.003,-1.905 ; 34.671,-14.732 34.676,-14.727 ; 36.412,-26.416 36.576,-26.416 ; 40.894,-14.605 40.972,-14.527 ; 42.291,-30.607 42.333,-30.649 ; 47.564,-24.196 47.625,-24.257 ; 51.409,-82.322 51.435,-82.296 ; 57.58,-11 57.658,-10.922
  Bottom Layer w0.152: C30.1@5.532,-12.472 v1(5.532,-10.724) ; 6.604,-13.081 C28.1@7.444,-13.081 ; C31.1@13.384,-1.397 14.224,-1.397 ; 16.764,-17.145 17.477,-16.432 R20.1@18.112,-16.432 ; U8.7@16.764,-5.149 16.764,-3.81 ; 30.783,-5.637 C36.1@31.496,-5.637 ; U14.2@31.421,-23.38 31.448,-23.38 33.306,-21.522 C47.1@33.333,-21.522 34.29,-20.565 v1(34.29,-20.066) ; 32.385,-18.669 U11.7@32.385,-17.399 ; U14.8@36.809,-28.768 38.145,-27.432 ; 39.852,-45.821 U13.4@39.852,-44.831 ; C40.1@41.275,-4.015 41.275,-2.54 ; 41.353,-58.215 C15.1@42.164,-58.215 ; 41.783,-45.339 C42.1@42.672,-45.339 ; 46.006,-46.387 D12.A@46.846,-46.387 ; 46.736,-51.435 C19.1@48.973,-51.435 ; 47.117,-57.912 C20.1@48.973,-57.912 ; v1(49.227,-19.099) U12.12@49.227,-17.392 ; C37.1@49.227,-8.079 49.227,-7.161 ; C41.1@51.943,-4.015 51.943,-3.048 ; C18.1@56.923,-57.912 58.039,-57.912 ; C17.1@56.923,-51.435 57.912,-51.435
  Bottom Layer w0.254: U8.12@11.684,-10.599 11.684,-8.89 ; 14.224,-1.397 14.351,-1.27 ; 20.701,-2.667 U9.8@22.987,-2.667 ; 27.813,-7.874 27.94,-7.747 U9.13@29.017,-7.747 30.734,-7.747 ; 30.734,-5.588 30.783,-5.637 ; 38.145,-27.432 38.735,-27.432 ; U4.5@39.413,-52.705 39.413,-51.9 39.497,-51.816 ; 39.852,-45.821 39.878,-45.847 ; 41.148,-2.413 41.275,-2.54 ; 41.275,-58.293 41.353,-58.215 ; C38.1@42.291,-11.762 43.004,-11.762 43.053,-11.811 ; U6.3@45.228,-54.61 48.768,-54.61 ; 45.974,-46.355 46.006,-46.387 ; 46.863,-57.658 47.117,-57.912 ; 49.227,-7.161 49.276,-7.112 ; 58.039,-57.912 58.166,-57.785
  other v1: 0.635,-84.328 24.638,-84.328 29.21,-84.328 33.782,-84.328 38.354,-84.328 42.926,-84.328 47.498,-84.328 52.07,-84.328 56.642,-84.328 61.214,-84.328 65.786,-84.328 70.358,-84.328 74.93,-84.328 6.363,-84.314 10.935,-84.314 15.507,-84.314 20.079,-84.314 4.182,-84.142 8.182,-84.142 12.182,-84.142 32.182,-84.142 36.182,-84.142 40.182,-84.142 44.182,-84.142 64.182,-84.142 68.182,-84.142 72.182,-84.142 74.93,-82.169 22.182,-80.142 26.182,-80.142 34.182,-80.142 38.182,-80.142 62.182,-80.142 66.182,-80.142 70.182,-80.142 74.182,-80.142 0.635,-79.502 8.763,-77.724 13.335,-77.724 19.685,-77.724 74.93,-77.597 24.182,-76.142 28.182,-76.142 56.182,-76.142 64.182,-76.142 72.182,-76.142 23.114,-74.422 74.93,-73.025 26.182,-72.142 42.182,-72.142 46.182,-72.142 62.182,-72.142 70.182,-72.142 74.182,-72.142 26.67,-70.739 74.93,-68.453 32.182,-68.142 36.182,-68.142 40.182,-68.142 44.182,-68.142 32.766,-64.643 34.182,-64.142 38.182,-64.142 42.182,-64.142 62.182,-64.142 74.93,-63.881 40.182,-60.142 44.182,-60.142 48.182,-60.142 52.182,-60.142 56.182,-60.142 60.182,-60.142 37.592,-59.817 74.93,-59.309 58.182,-56.142 62.182,-56.142 74.93,-54.737 44.182,-52.142 52.182,-52.142 60.182,-52.142 38.862,-50.8 74.93,-50.165 42.182,-48.142 46.182,-48.142 50.182,-48.142 62.182,-48.142 38.862,-46.736 74.93,-45.593 48.182,-44.142 52.182,-44.142 74.93,-40.894 74.182,-40.142 38.862,-39.116 74.93,-36.449 40.182,-36.142 48.182,-36.142 72.182,-36.142 38.862,-33.655 66.182,-32.142 70.182,-32.142 74.93,-32.004 37.846,-29.845 40.182,-28.142 64.182,-28.142 72.182,-28.142 74.93,-27.559 38.182,-24.142 42.182,-24.142 54.182,-24.142 58.182,-24.142 62.182,-24.142 70.182,-24.142 74.182,-24.142 74.93,-22.86 26.543,-20.447 56.182,-20.142 60.182,-20.142 0.635,-19.177 5.969,-19.177 22.606,-19.177 74.93,-18.415 6.182,-16.142 10.182,-16.142 30.182,-16.142 58.182,-16.142 62.182,-16.142 74.182,-16.142 15.113,-15.875 0.635,-14.732 74.93,-13.716 44.196,-11.303 45.339,-11.303 0.635,-9.906 74.93,-9.271 26.182,-8.142 38.182,-8.142 54.182,-8.142 58.182,-8.142 62.182,-8.142 70.182,-8.142 74.182,-8.142 0.635,-5.207 74.93,-4.699 36.182,-4.142 48.182,-4.142 60.182,-4.142 64.182,-4.142 68.182,-4.142 72.182,-4.142 0.635,-0.508 5.207,-0.508 9.779,-0.508 14.351,-0.508 18.923,-0.508 23.622,-0.508 28.321,-0.508 33.02,-0.508 37.846,-0.508 42.545,-0.508 47.244,-0.508 51.689,-0.508 56.388,-0.508 60.96,-0.508 65.659,-0.508 70.231,-0.508 74.93,-0.508
0V_(ISO): C16.1 C22.1 C23.1 C24.1 C25.1 C26.1 C43.1 C44.1 C46.1 C49.1 D8.K P3.5 P3.6 P4.1 P5.3 R3.1 U3.5 U4.4 U7.5 U7.18 U7.26 U7.36 U7.37 U13.5 U13.7 U14.9 U14.15 U15.9 U15.15 U16.2 U16.8 | length 44.1
  Top Layer w0.152: 2.921,-32.385 2.947,-32.411 D8.K@2.947,-33.86 ; 4.445,-30.226 4.572,-30.099 C44.1@5.666,-30.099 ; 5.588,-28.194 5.715,-28.067 U15.9@7.366,-28.067 ; P3.5@13.036,-55.626 P3.6@16.936,-55.626 20.193,-55.626 20.32,-55.499 ; U15.15@14.986,-28.117 14.986,-29.972 v1@15.494,-30.48 ; R3.1@17.956,-66.701 19.151,-66.701 19.177,-66.675 ; C49.1@20.955,-31.115 20.955,-31.106 23.102,-28.959 U16.2@23.102,-28.95 ; U16.8@28.491,-34.338 29.337,-35.184 29.337,-35.306
  Bottom Layer w0.152: 5.461,-44.577 C24.1@6.428,-44.577 ; v1(7.874,-46.101) 8.382,-46.609 U7.5@10.077,-46.609 ; 8.07,-52.561 8.128,-52.503 C23.1@8.128,-51.484 9.591,-51.484 10.827,-50.248 U7.36@10.827,-49.359 ; U7.18@14.827,-43.859 14.827,-43.085 15.516,-42.396 15.891,-42.396 v1(15.907,-42.38) ; U7.26@15.577,-48.109 16.486,-48.109 v1(17.399,-49.022) ; v1@15.875,-42.418 16.432,-41.861 C22.1@17.526,-41.861 ; C25.1@18.591,-50.292 19.373,-50.292 ; 23.241,-59.936 23.614,-59.563 C16.1@24.716,-59.563 ; C43.1@27.559,-42.037 28.448,-42.037 28.702,-42.291 ; C46.1@28.067,-38.227 28.859,-37.435 ; 28.702,-44.831 U13.5@30.252,-44.831 ; U4.4@28.913,-52.705 28.913,-51.732 29.083,-51.562 ; U14.9@29.675,-36.201 29.675,-35.902 U14.9@29.948,-35.63 29.948,-35.663 30.607,-36.322
  other v1: 0.635,-70.739 7.874,-70.739 13.843,-70.612 18.288,-68.961 4.182,-68.142 16.182,-68.142 0.635,-66.421 22.098,-65.024 6.182,-64.142 10.182,-64.142 14.182,-64.142 18.182,-64.142 25.781,-61.468 4.182,-60.142 8.182,-60.142 12.182,-60.142 16.182,-60.142 20.182,-60.142 0.635,-59.69 6.182,-56.142 0.635,-54.991 5.969,-52.959 30.861,-51.562 0.635,-50.292 26.182,-48.142 11.811,-47.498 13.843,-47.498 12.827,-46.609 30.861,-46.228 0.635,-45.593 11.811,-45.593 13.843,-45.593 0.635,-40.894 30.861,-37.084 0.635,-36.449 10.182,-32.142 18.182,-32.142 0.635,-31.75 15.498,-30.476 21.848,-30.222 0.635,-27.305 6.096,-27.305 19.431,-27.305